# KiCad board panel.kicad_pcb (continued)
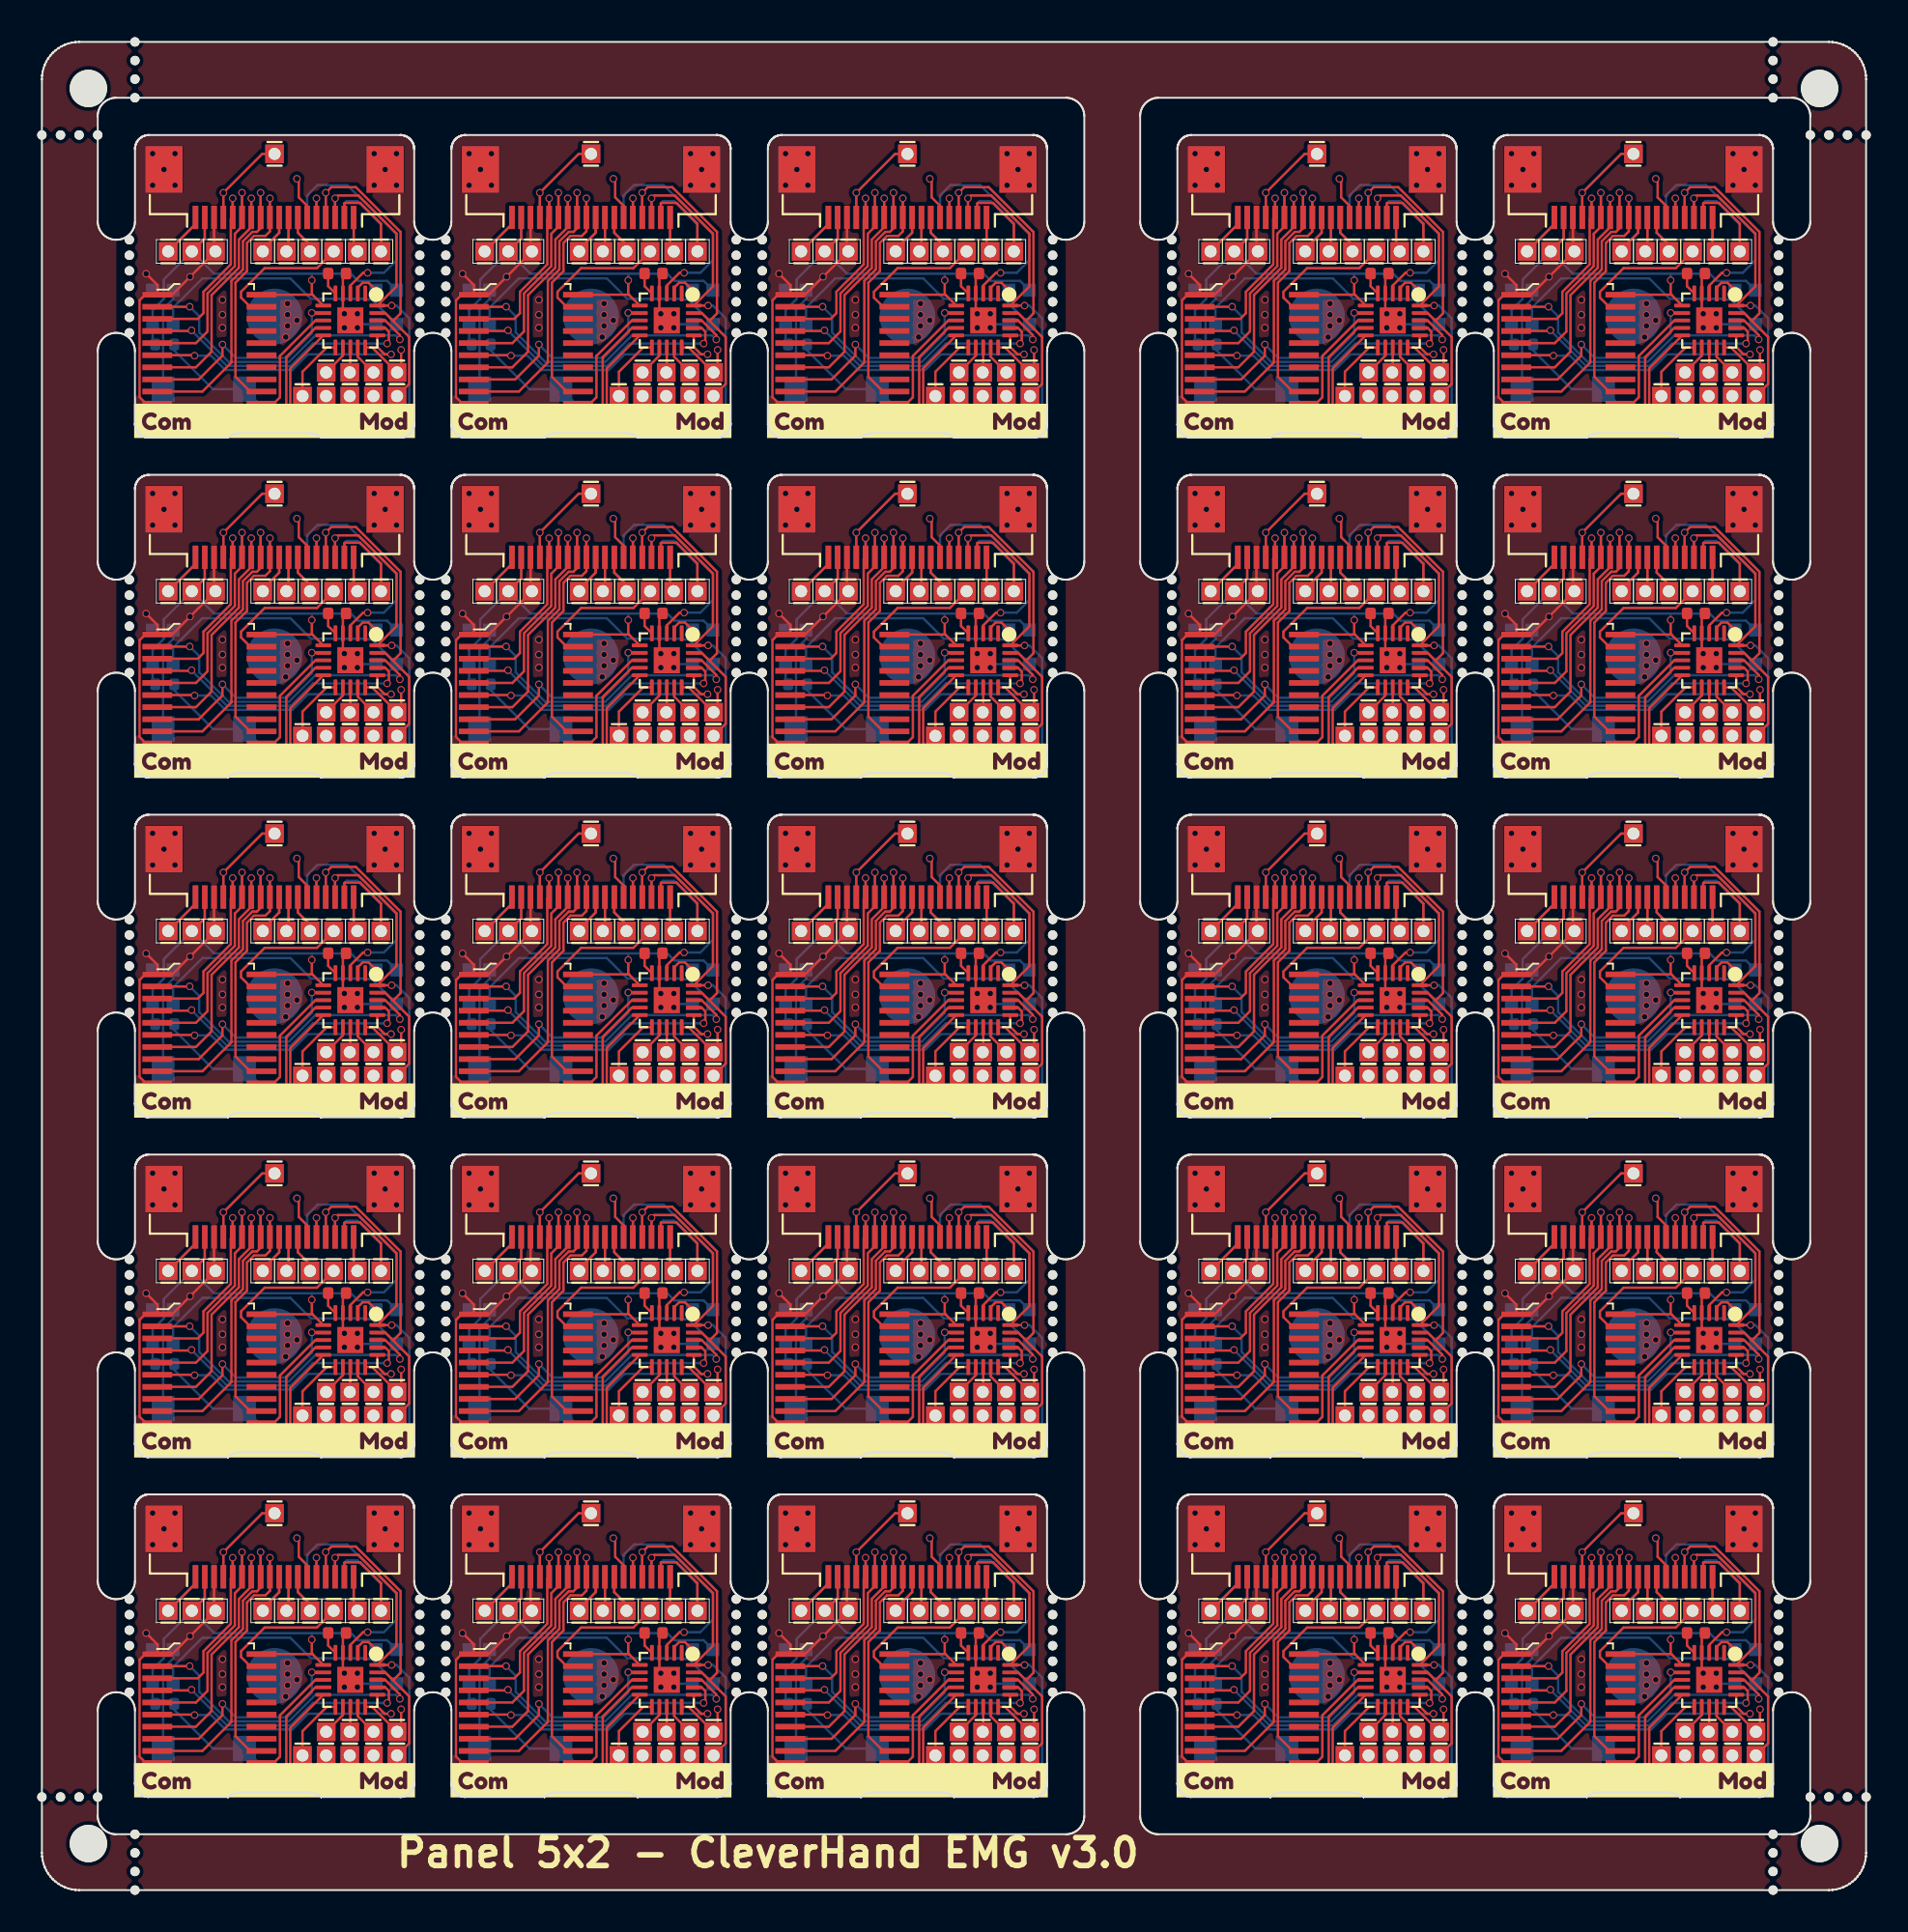
[diagram p0: board, top side]
## Placement (name value [footprint] x y rotation side) (continued)
J9#6  Conn_01x01_Pin  [PinHeader_1x01_P1.27mm_Vertical]  50.95 51.5 0 top
J9#7  Conn_01x01_Pin  [PinHeader_1x01_P1.27mm_Vertical]  33.95 51.5 0 top
J9#8  Conn_01x01_Pin  [PinHeader_1x01_P1.27mm_Vertical]  72.94 51.5 0 top
J9#9  Conn_01x01_Pin  [PinHeader_1x01_P1.27mm_Vertical]  72.94 33.25 0 top
J9#10  Conn_01x01_Pin  [PinHeader_1x01_P1.27mm_Vertical]  33.95 69.75 0 top
J9#11  Conn_01x01_Pin  [PinHeader_1x01_P1.27mm_Vertical]  16.95 69.75 0 top
J9#12  Conn_01x01_Pin  [PinHeader_1x01_P1.27mm_Vertical]  16.95 33.25 0 top
J9#13  Conn_01x01_Pin  [PinHeader_1x01_P1.27mm_Vertical]  89.94 88 0 top
J9#14  Conn_01x01_Pin  [PinHeader_1x01_P1.27mm_Vertical]  72.94 88 0 top
J9#15  Conn_01x01_Pin  [PinHeader_1x01_P1.27mm_Vertical]  50.95 15 0 top
J9#16  Conn_01x01_Pin  [PinHeader_1x01_P1.27mm_Vertical]  33.95 88 0 top
J9#17  Conn_01x01_Pin  [PinHeader_1x01_P1.27mm_Vertical]  72.94 15 0 top
J9#18  Conn_01x01_Pin  [PinHeader_1x01_P1.27mm_Vertical]  89.94 33.25 0 top
J9#19  Conn_01x01_Pin  [PinHeader_1x01_P1.27mm_Vertical]  16.95 88 0 top
J9#20  Conn_01x01_Pin  [PinHeader_1x01_P1.27mm_Vertical]  16.95 15 0 top
J9#21  Conn_01x01_Pin  [PinHeader_1x01_P1.27mm_Vertical]  89.94 51.5 0 top
J9#22  Conn_01x01_Pin  [PinHeader_1x01_P1.27mm_Vertical]  33.95 15 0 top
J9#23  Conn_01x01_Pin  [PinHeader_1x01_P1.27mm_Vertical]  89.94 15 0 top
J9#24  Conn_01x01_Pin  [PinHeader_1x01_P1.27mm_Vertical]  50.95 33.25 0 top
J9#25  Conn_01x01_Pin  [PinHeader_1x01_P1.27mm_Vertical]  89.94 69.75 0 top
J10  XF2J-1824-12A  [XUNPU_FPC_05F_18P_H20]  85.5 90 180 top
J10#2  XF2J-1824-12A  [XUNPU_FPC_05F_18P_H20]  29.5 90 180 top
J10#3  XF2J-1824-12A  [XUNPU_FPC_05F_18P_H20]  46.5 17 180 top
J10#4  XF2J-1824-12A  [XUNPU_FPC_05F_18P_H20]  85.5 35.25 180 top
J10#5  XF2J-1824-12A  [XUNPU_FPC_05F_18P_H20]  68.5 71.75 180 top
J10#6  XF2J-1824-12A  [XUNPU_FPC_05F_18P_H20]  12.5 17 180 top
J10#7  XF2J-1824-12A  [XUNPU_FPC_05F_18P_H20]  12.5 53.5 180 top
J10#8  XF2J-1824-12A  [XUNPU_FPC_05F_18P_H20]  85.5 53.5 180 top
J10#9  XF2J-1824-12A  [XUNPU_FPC_05F_18P_H20]  68.5 53.5 180 top
J10#10  XF2J-1824-12A  [XUNPU_FPC_05F_18P_H20]  29.5 17 180 top
J10#11  XF2J-1824-12A  [XUNPU_FPC_05F_18P_H20]  46.5 90 180 top
J10#12  XF2J-1824-12A  [XUNPU_FPC_05F_18P_H20]  46.5 53.5 180 top
J10#13  XF2J-1824-12A  [XUNPU_FPC_05F_18P_H20]  46.5 71.75 180 top
J10#14  XF2J-1824-12A  [XUNPU_FPC_05F_18P_H20]  68.5 90 180 top
J10#15  XF2J-1824-12A  [XUNPU_FPC_05F_18P_H20]  85.5 17 180 top
J10#16  XF2J-1824-12A  [XUNPU_FPC_05F_18P_H20]  12.5 71.75 180 top
J10#17  XF2J-1824-12A  [XUNPU_FPC_05F_18P_H20]  85.5 71.75 180 top
J10#18  XF2J-1824-12A  [XUNPU_FPC_05F_18P_H20]  12.5 35.25 180 top
J10#19  XF2J-1824-12A  [XUNPU_FPC_05F_18P_H20]  29.5 53.5 180 top
J10#20  XF2J-1824-12A  [XUNPU_FPC_05F_18P_H20]  29.5 71.75 180 top
J10#21  XF2J-1824-12A  [XUNPU_FPC_05F_18P_H20]  68.5 35.25 180 top
J10#22  XF2J-1824-12A  [XUNPU_FPC_05F_18P_H20]  29.5 35.25 180 top
J10#23  XF2J-1824-12A  [XUNPU_FPC_05F_18P_H20]  68.5 17 180 top
J10#24  XF2J-1824-12A  [XUNPU_FPC_05F_18P_H20]  12.5 90 180 top
J10#25  XF2J-1824-12A  [XUNPU_FPC_05F_18P_H20]  46.5 35.25 180 top
J11  Conn_01x01_Pin  [PinHeader_1x01_P1.27mm_Vertical]  75.08 63.25 180 top
J11#2  Conn_01x01_Pin  [PinHeader_1x01_P1.27mm_Vertical]  92.08 45 180 top
J11#3  Conn_01x01_Pin  [PinHeader_1x01_P1.27mm_Vertical]  36.08 45 180 top
J11#4  Conn_01x01_Pin  [PinHeader_1x01_P1.27mm_Vertical]  36.08 26.75 180 top
J11#5  Conn_01x01_Pin  [PinHeader_1x01_P1.27mm_Vertical]  19.08 26.75 180 top
J11#6  Conn_01x01_Pin  [PinHeader_1x01_P1.27mm_Vertical]  75.08 8.5 180 top
J11#7  Conn_01x01_Pin  [PinHeader_1x01_P1.27mm_Vertical]  19.08 8.5 180 top
J11#8  Conn_01x01_Pin  [PinHeader_1x01_P1.27mm_Vertical]  19.08 81.5 180 top
J11#9  Conn_01x01_Pin  [PinHeader_1x01_P1.27mm_Vertical]  75.08 26.75 180 top
J11#10  Conn_01x01_Pin  [PinHeader_1x01_P1.27mm_Vertical]  92.08 8.5 180 top
J11#11  Conn_01x01_Pin  [PinHeader_1x01_P1.27mm_Vertical]  75.08 45 180 top
J11#12  Conn_01x01_Pin  [PinHeader_1x01_P1.27mm_Vertical]  19.08 45 180 top
J11#13  Conn_01x01_Pin  [PinHeader_1x01_P1.27mm_Vertical]  36.08 8.5 180 top
J11#14  Conn_01x01_Pin  [PinHeader_1x01_P1.27mm_Vertical]  53.08 45 180 top
J11#15  Conn_01x01_Pin  [PinHeader_1x01_P1.27mm_Vertical]  19.08 63.25 180 top
J11#16  Conn_01x01_Pin  [PinHeader_1x01_P1.27mm_Vertical]  36.08 81.5 180 top
J11#17  Conn_01x01_Pin  [PinHeader_1x01_P1.27mm_Vertical]  53.08 8.5 180 top
J11#18  Conn_01x01_Pin  [PinHeader_1x01_P1.27mm_Vertical]  92.08 63.25 180 top
J11#19  Conn_01x01_Pin  [PinHeader_1x01_P1.27mm_Vertical]  53.08 26.75 180 top
J11#20  Conn_01x01_Pin  [PinHeader_1x01_P1.27mm_Vertical]  53.08 63.25 180 top
J11#21  Conn_01x01_Pin  [PinHeader_1x01_P1.27mm_Vertical]  53.08 81.5 180 top
J11#22  Conn_01x01_Pin  [PinHeader_1x01_P1.27mm_Vertical]  75.08 81.5 180 top
J11#23  Conn_01x01_Pin  [PinHeader_1x01_P1.27mm_Vertical]  36.08 63.25 180 top
J11#24  Conn_01x01_Pin  [PinHeader_1x01_P1.27mm_Vertical]  92.08 26.75 180 top
J11#25  Conn_01x01_Pin  [PinHeader_1x01_P1.27mm_Vertical]  92.08 81.5 180 top
J12  Conn_01x01_Pin  [PinHeader_1x01_P1.27mm_Vertical]  73.81 63.25 180 top
J12#2  Conn_01x01_Pin  [PinHeader_1x01_P1.27mm_Vertical]  73.81 45 180 top
J12#3  Conn_01x01_Pin  [PinHeader_1x01_P1.27mm_Vertical]  17.81 81.5 180 top
J12#4  Conn_01x01_Pin  [PinHeader_1x01_P1.27mm_Vertical]  51.81 26.75 180 top
J12#5  Conn_01x01_Pin  [PinHeader_1x01_P1.27mm_Vertical]  17.81 8.5 180 top
J12#6  Conn_01x01_Pin  [PinHeader_1x01_P1.27mm_Vertical]  34.81 26.75 180 top
J12#7  Conn_01x01_Pin  [PinHeader_1x01_P1.27mm_Vertical]  73.81 26.75 180 top
J12#8  Conn_01x01_Pin  [PinHeader_1x01_P1.27mm_Vertical]  90.81 45 180 top
J12#9  Conn_01x01_Pin  [PinHeader_1x01_P1.27mm_Vertical]  34.81 8.5 180 top
J12#10  Conn_01x01_Pin  [PinHeader_1x01_P1.27mm_Vertical]  51.81 63.25 180 top
J12#11  Conn_01x01_Pin  [PinHeader_1x01_P1.27mm_Vertical]  73.81 8.5 180 top
J12#12  Conn_01x01_Pin  [PinHeader_1x01_P1.27mm_Vertical]  51.81 81.5 180 top
J12#13  Conn_01x01_Pin  [PinHeader_1x01_P1.27mm_Vertical]  34.81 45 180 top
J12#14  Conn_01x01_Pin  [PinHeader_1x01_P1.27mm_Vertical]  51.81 45 180 top
J12#15  Conn_01x01_Pin  [PinHeader_1x01_P1.27mm_Vertical]  17.81 26.75 180 top
J12#16  Conn_01x01_Pin  [PinHeader_1x01_P1.27mm_Vertical]  17.81 45 180 top
J12#17  Conn_01x01_Pin  [PinHeader_1x01_P1.27mm_Vertical]  90.81 8.5 180 top
J12#18  Conn_01x01_Pin  [PinHeader_1x01_P1.27mm_Vertical]  90.81 63.25 180 top
J12#19  Conn_01x01_Pin  [PinHeader_1x01_P1.27mm_Vertical]  90.81 81.5 180 top
J12#20  Conn_01x01_Pin  [PinHeader_1x01_P1.27mm_Vertical]  34.81 63.25 180 top
J12#21  Conn_01x01_Pin  [PinHeader_1x01_P1.27mm_Vertical]  34.81 81.5 180 top
J12#22  Conn_01x01_Pin  [PinHeader_1x01_P1.27mm_Vertical]  73.81 81.5 180 top
J12#23  Conn_01x01_Pin  [PinHeader_1x01_P1.27mm_Vertical]  90.81 26.75 180 top
J12#24  Conn_01x01_Pin  [PinHeader_1x01_P1.27mm_Vertical]  17.81 63.25 180 top
J12#25  Conn_01x01_Pin  [PinHeader_1x01_P1.27mm_Vertical]  51.81 8.5 180 top
J13  Conn_01x01_Pin  [PinHeader_1x01_P1.27mm_Vertical]  72.54 26.75 180 top
J13#2  Conn_01x01_Pin  [PinHeader_1x01_P1.27mm_Vertical]  16.54 63.25 180 top
J13#3  Conn_01x01_Pin  [PinHeader_1x01_P1.27mm_Vertical]  89.54 26.75 180 top
J13#4  Conn_01x01_Pin  [PinHeader_1x01_P1.27mm_Vertical]  72.54 45 180 top
J13#5  Conn_01x01_Pin  [PinHeader_1x01_P1.27mm_Vertical]  72.54 81.5 180 top
J13#6  Conn_01x01_Pin  [PinHeader_1x01_P1.27mm_Vertical]  50.54 63.25 180 top
J13#7  Conn_01x01_Pin  [PinHeader_1x01_P1.27mm_Vertical]  89.54 8.5 180 top
J13#8  Conn_01x01_Pin  [PinHeader_1x01_P1.27mm_Vertical]  16.54 8.5 180 top
J13#9  Conn_01x01_Pin  [PinHeader_1x01_P1.27mm_Vertical]  50.54 26.75 180 top
J13#10  Conn_01x01_Pin  [PinHeader_1x01_P1.27mm_Vertical]  16.54 45 180 top
J13#11  Conn_01x01_Pin  [PinHeader_1x01_P1.27mm_Vertical]  89.54 63.25 180 top
J13#12  Conn_01x01_Pin  [PinHeader_1x01_P1.27mm_Vertical]  89.54 81.5 180 top
J13#13  Conn_01x01_Pin  [PinHeader_1x01_P1.27mm_Vertical]  50.54 8.5 180 top
J13#14  Conn_01x01_Pin  [PinHeader_1x01_P1.27mm_Vertical]  33.54 63.25 180 top
J13#15  Conn_01x01_Pin  [PinHeader_1x01_P1.27mm_Vertical]  50.54 45 180 top
J13#16  Conn_01x01_Pin  [PinHeader_1x01_P1.27mm_Vertical]  72.54 8.5 180 top
J13#17  Conn_01x01_Pin  [PinHeader_1x01_P1.27mm_Vertical]  33.54 8.5 180 top
J13#18  Conn_01x01_Pin  [PinHeader_1x01_P1.27mm_Vertical]  72.54 63.25 180 top
J13#19  Conn_01x01_Pin  [PinHeader_1x01_P1.27mm_Vertical]  33.54 45 180 top
J13#20  Conn_01x01_Pin  [PinHeader_1x01_P1.27mm_Vertical]  33.54 26.75 180 top
J13#21  Conn_01x01_Pin  [PinHeader_1x01_P1.27mm_Vertical]  16.54 26.75 180 top
J13#22  Conn_01x01_Pin  [PinHeader_1x01_P1.27mm_Vertical]  33.54 81.5 180 top
J13#23  Conn_01x01_Pin  [PinHeader_1x01_P1.27mm_Vertical]  16.54 81.5 180 top
J13#24  Conn_01x01_Pin  [PinHeader_1x01_P1.27mm_Vertical]  89.54 45 180 top
J13#25  Conn_01x01_Pin  [PinHeader_1x01_P1.27mm_Vertical]  50.54 81.5 180 top
J14  Conn_01x01_Pin  [PinHeader_1x01_P1.27mm_Vertical]  32.27 63.25 180 top
J14#2  Conn_01x01_Pin  [PinHeader_1x01_P1.27mm_Vertical]  88.27 45 180 top
J14#3  Conn_01x01_Pin  [PinHeader_1x01_P1.27mm_Vertical]  49.27 81.5 180 top
J14#4  Conn_01x01_Pin  [PinHeader_1x01_P1.27mm_Vertical]  15.27 8.5 180 top
J14#5  Conn_01x01_Pin  [PinHeader_1x01_P1.27mm_Vertical]  88.27 26.75 180 top
J14#6  Conn_01x01_Pin  [PinHeader_1x01_P1.27mm_Vertical]  49.27 26.75 180 top
J14#7  Conn_01x01_Pin  [PinHeader_1x01_P1.27mm_Vertical]  71.27 81.5 180 top
J14#8  Conn_01x01_Pin  [PinHeader_1x01_P1.27mm_Vertical]  71.27 63.25 180 top
J14#9  Conn_01x01_Pin  [PinHeader_1x01_P1.27mm_Vertical]  71.27 8.5 180 top
J14#10  Conn_01x01_Pin  [PinHeader_1x01_P1.27mm_Vertical]  71.27 45 180 top
J14#11  Conn_01x01_Pin  [PinHeader_1x01_P1.27mm_Vertical]  32.27 8.5 180 top
J14#12  Conn_01x01_Pin  [PinHeader_1x01_P1.27mm_Vertical]  49.27 63.25 180 top
J14#13  Conn_01x01_Pin  [PinHeader_1x01_P1.27mm_Vertical]  15.27 26.75 180 top
J14#14  Conn_01x01_Pin  [PinHeader_1x01_P1.27mm_Vertical]  88.27 81.5 180 top
J14#15  Conn_01x01_Pin  [PinHeader_1x01_P1.27mm_Vertical]  71.27 26.75 180 top
J14#16  Conn_01x01_Pin  [PinHeader_1x01_P1.27mm_Vertical]  49.27 45 180 top
J14#17  Conn_01x01_Pin  [PinHeader_1x01_P1.27mm_Vertical]  32.27 26.75 180 top
J14#18  Conn_01x01_Pin  [PinHeader_1x01_P1.27mm_Vertical]  15.27 63.25 180 top
J14#19  Conn_01x01_Pin  [PinHeader_1x01_P1.27mm_Vertical]  15.27 81.5 180 top
J14#20  Conn_01x01_Pin  [PinHeader_1x01_P1.27mm_Vertical]  15.27 45 180 top
J14#21  Conn_01x01_Pin  [PinHeader_1x01_P1.27mm_Vertical]  88.27 63.25 180 top
J14#22  Conn_01x01_Pin  [PinHeader_1x01_P1.27mm_Vertical]  88.27 8.5 180 top
J14#23  Conn_01x01_Pin  [PinHeader_1x01_P1.27mm_Vertical]  32.27 45 180 top
J14#24  Conn_01x01_Pin  [PinHeader_1x01_P1.27mm_Vertical]  49.27 8.5 180 top
J14#25  Conn_01x01_Pin  [PinHeader_1x01_P1.27mm_Vertical]  32.27 81.5 180 top
J15  Conn_01x01_Pin  [PinHeader_1x01_P1.27mm_Vertical]  16.54 25.48 0 top
J15#2  Conn_01x01_Pin  [PinHeader_1x01_P1.27mm_Vertical]  72.54 43.73 0 top
J15#3  Conn_01x01_Pin  [PinHeader_1x01_P1.27mm_Vertical]  72.54 61.98 0 top
J15#4  Conn_01x01_Pin  [PinHeader_1x01_P1.27mm_Vertical]  89.54 25.48 0 top
J15#5  Conn_01x01_Pin  [PinHeader_1x01_P1.27mm_Vertical]  33.54 61.98 0 top
J15#6  Conn_01x01_Pin  [PinHeader_1x01_P1.27mm_Vertical]  72.54 25.48 0 top
J15#7  Conn_01x01_Pin  [PinHeader_1x01_P1.27mm_Vertical]  89.54 61.98 0 top
J15#8  Conn_01x01_Pin  [PinHeader_1x01_P1.27mm_Vertical]  16.54 61.98 0 top
J15#9  Conn_01x01_Pin  [PinHeader_1x01_P1.27mm_Vertical]  33.54 7.23 0 top
J15#10  Conn_01x01_Pin  [PinHeader_1x01_P1.27mm_Vertical]  72.54 7.23 0 top
J15#11  Conn_01x01_Pin  [PinHeader_1x01_P1.27mm_Vertical]  50.54 80.23 0 top
J15#12  Conn_01x01_Pin  [PinHeader_1x01_P1.27mm_Vertical]  89.54 80.23 0 top
J15#13  Conn_01x01_Pin  [PinHeader_1x01_P1.27mm_Vertical]  50.54 43.73 0 top
J15#14  Conn_01x01_Pin  [PinHeader_1x01_P1.27mm_Vertical]  50.54 25.48 0 top
J15#15  Conn_01x01_Pin  [PinHeader_1x01_P1.27mm_Vertical]  50.54 61.98 0 top
J15#16  Conn_01x01_Pin  [PinHeader_1x01_P1.27mm_Vertical]  33.54 43.73 0 top
J15#17  Conn_01x01_Pin  [PinHeader_1x01_P1.27mm_Vertical]  16.54 7.23 0 top
J15#18  Conn_01x01_Pin  [PinHeader_1x01_P1.27mm_Vertical]  50.54 7.23 0 top
J15#19  Conn_01x01_Pin  [PinHeader_1x01_P1.27mm_Vertical]  33.54 80.23 0 top
J15#20  Conn_01x01_Pin  [PinHeader_1x01_P1.27mm_Vertical]  16.54 80.23 0 top
J15#21  Conn_01x01_Pin  [PinHeader_1x01_P1.27mm_Vertical]  89.54 43.73 0 top
J15#22  Conn_01x01_Pin  [PinHeader_1x01_P1.27mm_Vertical]  16.54 43.73 0 top
J15#23  Conn_01x01_Pin  [PinHeader_1x01_P1.27mm_Vertical]  72.54 80.23 0 top
J15#24  Conn_01x01_Pin  [PinHeader_1x01_P1.27mm_Vertical]  89.54 7.23 0 top
J15#25  Conn_01x01_Pin  [PinHeader_1x01_P1.27mm_Vertical]  33.54 25.48 0 top
J16  Conn_01x01_Pin  [PinHeader_1x01_P1.27mm_Vertical]  17.81 43.73 0 top
J16#2  Conn_01x01_Pin  [PinHeader_1x01_P1.27mm_Vertical]  17.81 61.98 0 top
J16#3  Conn_01x01_Pin  [PinHeader_1x01_P1.27mm_Vertical]  51.81 43.73 0 top
J16#4  Conn_01x01_Pin  [PinHeader_1x01_P1.27mm_Vertical]  90.81 80.23 0 top
J16#5  Conn_01x01_Pin  [PinHeader_1x01_P1.27mm_Vertical]  73.81 25.48 0 top
J16#6  Conn_01x01_Pin  [PinHeader_1x01_P1.27mm_Vertical]  34.81 61.98 0 top
J16#7  Conn_01x01_Pin  [PinHeader_1x01_P1.27mm_Vertical]  34.81 80.23 0 top
J16#8  Conn_01x01_Pin  [PinHeader_1x01_P1.27mm_Vertical]  73.81 43.73 0 top
J16#9  Conn_01x01_Pin  [PinHeader_1x01_P1.27mm_Vertical]  73.81 80.23 0 top
J16#10  Conn_01x01_Pin  [PinHeader_1x01_P1.27mm_Vertical]  17.81 7.23 0 top
J16#11  Conn_01x01_Pin  [PinHeader_1x01_P1.27mm_Vertical]  90.81 43.73 0 top
J16#12  Conn_01x01_Pin  [PinHeader_1x01_P1.27mm_Vertical]  17.81 80.23 0 top
J16#13  Conn_01x01_Pin  [PinHeader_1x01_P1.27mm_Vertical]  90.81 61.98 0 top
J16#14  Conn_01x01_Pin  [PinHeader_1x01_P1.27mm_Vertical]  73.81 7.23 0 top
J16#15  Conn_01x01_Pin  [PinHeader_1x01_P1.27mm_Vertical]  51.81 61.98 0 top
J16#16  Conn_01x01_Pin  [PinHeader_1x01_P1.27mm_Vertical]  90.81 25.48 0 top
J16#17  Conn_01x01_Pin  [PinHeader_1x01_P1.27mm_Vertical]  34.81 25.48 0 top
J16#18  Conn_01x01_Pin  [PinHeader_1x01_P1.27mm_Vertical]  73.81 61.98 0 top
J16#19  Conn_01x01_Pin  [PinHeader_1x01_P1.27mm_Vertical]  51.81 7.23 0 top
J16#20  Conn_01x01_Pin  [PinHeader_1x01_P1.27mm_Vertical]  90.81 7.23 0 top
J16#21  Conn_01x01_Pin  [PinHeader_1x01_P1.27mm_Vertical]  34.81 43.73 0 top
J16#22  Conn_01x01_Pin  [PinHeader_1x01_P1.27mm_Vertical]  34.81 7.23 0 top
J16#23  Conn_01x01_Pin  [PinHeader_1x01_P1.27mm_Vertical]  17.81 25.48 0 top
J16#24  Conn_01x01_Pin  [PinHeader_1x01_P1.27mm_Vertical]  51.81 25.48 0 top
J16#25  Conn_01x01_Pin  [PinHeader_1x01_P1.27mm_Vertical]  51.81 80.23 0 top
J17  Conn_01x01_Pin  [PinHeader_1x01_P1.27mm_Vertical]  92.08 7.23 0 top
J17#2  Conn_01x01_Pin  [PinHeader_1x01_P1.27mm_Vertical]  36.08 25.48 0 top
J17#3  Conn_01x01_Pin  [PinHeader_1x01_P1.27mm_Vertical]  19.08 43.73 0 top
J17#4  Conn_01x01_Pin  [PinHeader_1x01_P1.27mm_Vertical]  36.08 7.23 0 top
J17#5  Conn_01x01_Pin  [PinHeader_1x01_P1.27mm_Vertical]  19.08 7.23 0 top
J17#6  Conn_01x01_Pin  [PinHeader_1x01_P1.27mm_Vertical]  36.08 43.73 0 top
J17#7  Conn_01x01_Pin  [PinHeader_1x01_P1.27mm_Vertical]  53.08 43.73 0 top
J17#8  Conn_01x01_Pin  [PinHeader_1x01_P1.27mm_Vertical]  75.08 80.23 0 top
J17#9  Conn_01x01_Pin  [PinHeader_1x01_P1.27mm_Vertical]  75.08 7.23 0 top
J17#10  Conn_01x01_Pin  [PinHeader_1x01_P1.27mm_Vertical]  19.08 61.98 0 top
J17#11  Conn_01x01_Pin  [PinHeader_1x01_P1.27mm_Vertical]  92.08 43.73 0 top
J17#12  Conn_01x01_Pin  [PinHeader_1x01_P1.27mm_Vertical]  75.08 43.73 0 top
J17#13  Conn_01x01_Pin  [PinHeader_1x01_P1.27mm_Vertical]  36.08 80.23 0 top
J17#14  Conn_01x01_Pin  [PinHeader_1x01_P1.27mm_Vertical]  53.08 61.98 0 top
J17#15  Conn_01x01_Pin  [PinHeader_1x01_P1.27mm_Vertical]  19.08 80.23 0 top
J17#16  Conn_01x01_Pin  [PinHeader_1x01_P1.27mm_Vertical]  92.08 80.23 0 top
J17#17  Conn_01x01_Pin  [PinHeader_1x01_P1.27mm_Vertical]  75.08 61.98 0 top
J17#18  Conn_01x01_Pin  [PinHeader_1x01_P1.27mm_Vertical]  53.08 7.23 0 top
J17#19  Conn_01x01_Pin  [PinHeader_1x01_P1.27mm_Vertical]  53.08 25.48 0 top
J17#20  Conn_01x01_Pin  [PinHeader_1x01_P1.27mm_Vertical]  36.08 61.98 0 top
J17#21  Conn_01x01_Pin  [PinHeader_1x01_P1.27mm_Vertical]  92.08 25.48 0 top
J17#22  Conn_01x01_Pin  [PinHeader_1x01_P1.27mm_Vertical]  19.08 25.48 0 top
J17#23  Conn_01x01_Pin  [PinHeader_1x01_P1.27mm_Vertical]  53.08 80.23 0 top
J17#24  Conn_01x01_Pin  [PinHeader_1x01_P1.27mm_Vertical]  92.08 61.98 0 top
J17#25  Conn_01x01_Pin  [PinHeader_1x01_P1.27mm_Vertical]  75.08 25.48 0 top
J18  Conn_01x01_Pin  [PinHeader_1x01_P1.27mm_Vertical]  48 61.98 0 top
J18#2  Conn_01x01_Pin  [PinHeader_1x01_P1.27mm_Vertical]  48 25.48 0 top
J18#3  Conn_01x01_Pin  [PinHeader_1x01_P1.27mm_Vertical]  48 43.73 0 top
J18#4  Conn_01x01_Pin  [PinHeader_1x01_P1.27mm_Vertical]  31 7.23 0 top
J18#5  Conn_01x01_Pin  [PinHeader_1x01_P1.27mm_Vertical]  87 25.48 0 top
J18#6  Conn_01x01_Pin  [PinHeader_1x01_P1.27mm_Vertical]  14 7.23 0 top
J18#7  Conn_01x01_Pin  [PinHeader_1x01_P1.27mm_Vertical]  70 7.23 0 top
J18#8  Conn_01x01_Pin  [PinHeader_1x01_P1.27mm_Vertical]  14 80.23 0 top
J18#9  Conn_01x01_Pin  [PinHeader_1x01_P1.27mm_Vertical]  31 25.48 0 top
J18#10  Conn_01x01_Pin  [PinHeader_1x01_P1.27mm_Vertical]  48 7.23 0 top
J18#11  Conn_01x01_Pin  [PinHeader_1x01_P1.27mm_Vertical]  14 43.73 0 top
J18#12  Conn_01x01_Pin  [PinHeader_1x01_P1.27mm_Vertical]  87 80.23 0 top
J18#13  Conn_01x01_Pin  [PinHeader_1x01_P1.27mm_Vertical]  70 43.73 0 top
J18#14  Conn_01x01_Pin  [PinHeader_1x01_P1.27mm_Vertical]  70 80.23 0 top
J18#15  Conn_01x01_Pin  [PinHeader_1x01_P1.27mm_Vertical]  31 80.23 0 top
J18#16  Conn_01x01_Pin  [PinHeader_1x01_P1.27mm_Vertical]  31 61.98 0 top
J18#17  Conn_01x01_Pin  [PinHeader_1x01_P1.27mm_Vertical]  87 7.23 0 top
J18#18  Conn_01x01_Pin  [PinHeader_1x01_P1.27mm_Vertical]  70 25.48 0 top
J18#19  Conn_01x01_Pin  [PinHeader_1x01_P1.27mm_Vertical]  70 61.98 0 top
J18#20  Conn_01x01_Pin  [PinHeader_1x01_P1.27mm_Vertical]  14 25.48 0 top
J18#21  Conn_01x01_Pin  [PinHeader_1x01_P1.27mm_Vertical]  48 80.23 0 top
J18#22  Conn_01x01_Pin  [PinHeader_1x01_P1.27mm_Vertical]  87 43.73 0 top
J18#23  Conn_01x01_Pin  [PinHeader_1x01_P1.27mm_Vertical]  87 61.98 0 top
J18#24  Conn_01x01_Pin  [PinHeader_1x01_P1.27mm_Vertical]  14 61.98 0 top
J18#25  Conn_01x01_Pin  [PinHeader_1x01_P1.27mm_Vertical]  31 43.73 0 top
J19  Conn_01x01_Pin  [PinHeader_1x01_P1.27mm_Vertical]  6.78 88 0 top
J19#2  Conn_01x01_Pin  [PinHeader_1x01_P1.27mm_Vertical]  40.78 69.75 0 top
J19#3  Conn_01x01_Pin  [PinHeader_1x01_P1.27mm_Vertical]  23.79 88 0 top
J19#4  Conn_01x01_Pin  [PinHeader_1x01_P1.27mm_Vertical]  62.78 51.5 0 top
J19#5  Conn_01x01_Pin  [PinHeader_1x01_P1.27mm_Vertical]  79.78 15 0 top
J19#6  Conn_01x01_Pin  [PinHeader_1x01_P1.27mm_Vertical]  62.78 69.75 0 top
J19#7  Conn_01x01_Pin  [PinHeader_1x01_P1.27mm_Vertical]  40.78 15 0 top
J19#8  Conn_01x01_Pin  [PinHeader_1x01_P1.27mm_Vertical]  79.78 33.25 0 top
J19#9  Conn_01x01_Pin  [PinHeader_1x01_P1.27mm_Vertical]  40.78 51.5 0 top
J19#10  Conn_01x01_Pin  [PinHeader_1x01_P1.27mm_Vertical]  6.78 15 0 top
J19#11  Conn_01x01_Pin  [PinHeader_1x01_P1.27mm_Vertical]  23.79 51.5 0 top
J19#12  Conn_01x01_Pin  [PinHeader_1x01_P1.27mm_Vertical]  23.79 15 0 top
J19#13  Conn_01x01_Pin  [PinHeader_1x01_P1.27mm_Vertical]  62.78 33.25 0 top
J19#14  Conn_01x01_Pin  [PinHeader_1x01_P1.27mm_Vertical]  6.78 33.25 0 top
J19#15  Conn_01x01_Pin  [PinHeader_1x01_P1.27mm_Vertical]  40.78 33.25 0 top
J19#16  Conn_01x01_Pin  [PinHeader_1x01_P1.27mm_Vertical]  79.78 88 0 top
J19#17  Conn_01x01_Pin  [PinHeader_1x01_P1.27mm_Vertical]  62.78 88 0 top
J19#18  Conn_01x01_Pin  [PinHeader_1x01_P1.27mm_Vertical]  79.78 51.5 0 top
J19#19  Conn_01x01_Pin  [PinHeader_1x01_P1.27mm_Vertical]  23.79 33.25 0 top
J19#20  Conn_01x01_Pin  [PinHeader_1x01_P1.27mm_Vertical]  6.78 51.5 0 top
J19#21  Conn_01x01_Pin  [PinHeader_1x01_P1.27mm_Vertical]  23.79 69.75 0 top
J19#22  Conn_01x01_Pin  [PinHeader_1x01_P1.27mm_Vertical]  79.78 69.75 0 top
J19#23  Conn_01x01_Pin  [PinHeader_1x01_P1.27mm_Vertical]  40.78 88 0 top
J19#24  Conn_01x01_Pin  [PinHeader_1x01_P1.27mm_Vertical]  6.78 69.75 0 top
J19#25  Conn_01x01_Pin  [PinHeader_1x01_P1.27mm_Vertical]  62.78 15 0 top
J20  Conn_01x01_Pin  [PinHeader_1x01_P1.27mm_Vertical]  74.22 33.25 0 top
J20#2  Conn_01x01_Pin  [PinHeader_1x01_P1.27mm_Vertical]  35.22 51.5 0 top
J20#3  Conn_01x01_Pin  [PinHeader_1x01_P1.27mm_Vertical]  18.21 69.75 0 top
J20#4  Conn_01x01_Pin  [PinHeader_1x01_P1.27mm_Vertical]  52.22 15 0 top
J20#5  Conn_01x01_Pin  [PinHeader_1x01_P1.27mm_Vertical]  91.22 51.5 0 top
J20#6  Conn_01x01_Pin  [PinHeader_1x01_P1.27mm_Vertical]  18.21 33.25 0 top
J20#7  Conn_01x01_Pin  [PinHeader_1x01_P1.27mm_Vertical]  52.22 88 0 top
J20#8  Conn_01x01_Pin  [PinHeader_1x01_P1.27mm_Vertical]  52.22 51.5 0 top
J20#9  Conn_01x01_Pin  [PinHeader_1x01_P1.27mm_Vertical]  91.22 15 0 top
J20#10  Conn_01x01_Pin  [PinHeader_1x01_P1.27mm_Vertical]  18.21 15 0 top
J20#11  Conn_01x01_Pin  [PinHeader_1x01_P1.27mm_Vertical]  74.22 15 0 top
J20#12  Conn_01x01_Pin  [PinHeader_1x01_P1.27mm_Vertical]  52.22 69.75 0 top
J20#13  Conn_01x01_Pin  [PinHeader_1x01_P1.27mm_Vertical]  35.22 69.75 0 top
J20#14  Conn_01x01_Pin  [PinHeader_1x01_P1.27mm_Vertical]  18.21 88 0 top
J20#15  Conn_01x01_Pin  [PinHeader_1x01_P1.27mm_Vertical]  74.22 69.75 0 top
J20#16  Conn_01x01_Pin  [PinHeader_1x01_P1.27mm_Vertical]  52.22 33.25 0 top
J20#17  Conn_01x01_Pin  [PinHeader_1x01_P1.27mm_Vertical]  91.22 69.75 0 top
J20#18  Conn_01x01_Pin  [PinHeader_1x01_P1.27mm_Vertical]  91.22 33.25 0 top
J20#19  Conn_01x01_Pin  [PinHeader_1x01_P1.27mm_Vertical]  74.22 51.5 0 top
J20#20  Conn_01x01_Pin  [PinHeader_1x01_P1.27mm_Vertical]  35.22 15 0 top
J20#21  Conn_01x01_Pin  [PinHeader_1x01_P1.27mm_Vertical]  35.22 88 0 top
J20#22  Conn_01x01_Pin  [PinHeader_1x01_P1.27mm_Vertical]  91.22 88 0 top
J20#23  Conn_01x01_Pin  [PinHeader_1x01_P1.27mm_Vertical]  35.22 33.25 0 top
J20#24  Conn_01x01_Pin  [PinHeader_1x01_P1.27mm_Vertical]  74.22 88 0 top
J20#25  Conn_01x01_Pin  [PinHeader_1x01_P1.27mm_Vertical]  18.21 51.5 0 top
J21  Conn_01x01_Pin  [PinHeader_1x01_P1.27mm_Vertical]  15.27 80.23 0 top
J21#2  Conn_01x01_Pin  [PinHeader_1x01_P1.27mm_Vertical]  88.27 25.48 0 top
J21#3  Conn_01x01_Pin  [PinHeader_1x01_P1.27mm_Vertical]  71.27 43.73 0 top
J21#4  Conn_01x01_Pin  [PinHeader_1x01_P1.27mm_Vertical]  49.27 25.48 0 top
J21#5  Conn_01x01_Pin  [PinHeader_1x01_P1.27mm_Vertical]  88.27 7.23 0 top
J21#6  Conn_01x01_Pin  [PinHeader_1x01_P1.27mm_Vertical]  15.27 61.98 0 top
J21#7  Conn_01x01_Pin  [PinHeader_1x01_P1.27mm_Vertical]  49.27 7.23 0 top
J21#8  Conn_01x01_Pin  [PinHeader_1x01_P1.27mm_Vertical]  32.27 7.23 0 top
J21#9  Conn_01x01_Pin  [PinHeader_1x01_P1.27mm_Vertical]  15.27 43.73 0 top
J21#10  Conn_01x01_Pin  [PinHeader_1x01_P1.27mm_Vertical]  71.27 25.48 0 top
J21#11  Conn_01x01_Pin  [PinHeader_1x01_P1.27mm_Vertical]  88.27 80.23 0 top
J21#12  Conn_01x01_Pin  [PinHeader_1x01_P1.27mm_Vertical]  71.27 80.23 0 top
J21#13  Conn_01x01_Pin  [PinHeader_1x01_P1.27mm_Vertical]  49.27 61.98 0 top
J21#14  Conn_01x01_Pin  [PinHeader_1x01_P1.27mm_Vertical]  32.27 25.48 0 top
J21#15  Conn_01x01_Pin  [PinHeader_1x01_P1.27mm_Vertical]  15.27 7.23 0 top
J21#16  Conn_01x01_Pin  [PinHeader_1x01_P1.27mm_Vertical]  88.27 61.98 0 top
J21#17  Conn_01x01_Pin  [PinHeader_1x01_P1.27mm_Vertical]  15.27 25.48 0 top
J21#18  Conn_01x01_Pin  [PinHeader_1x01_P1.27mm_Vertical]  49.27 80.23 0 top
J21#19  Conn_01x01_Pin  [PinHeader_1x01_P1.27mm_Vertical]  32.27 80.23 0 top
J21#20  Conn_01x01_Pin  [PinHeader_1x01_P1.27mm_Vertical]  71.27 7.23 0 top
J21#21  Conn_01x01_Pin  [PinHeader_1x01_P1.27mm_Vertical]  49.27 43.73 0 top
J21#22  Conn_01x01_Pin  [PinHeader_1x01_P1.27mm_Vertical]  71.27 61.98 0 top
J21#23  Conn_01x01_Pin  [PinHeader_1x01_P1.27mm_Vertical]  88.27 43.73 0 top
J21#24  Conn_01x01_Pin  [PinHeader_1x01_P1.27mm_Vertical]  32.27 61.98 0 top
J21#25  Conn_01x01_Pin  [PinHeader_1x01_P1.27mm_Vertical]  32.27 43.73 0 top
kibuzzard-658C3FF8  G***  [kibuzzard-658C3FF8]  85.5 60.65 0 top
kibuzzard-658C3FF8#2  G***  [kibuzzard-658C3FF8]  85.5 24.15 0 top
kibuzzard-658C3FF8#3  G***  [kibuzzard-658C3FF8]  46.5 78.9 0 top
kibuzzard-658C3FF8#4  G***  [kibuzzard-658C3FF8]  12.5 24.15 0 top
kibuzzard-658C3FF8#5  G***  [kibuzzard-658C3FF8]  46.5 5.9 0 top
kibuzzard-658C3FF8#6  G***  [kibuzzard-658C3FF8]  85.5 78.9 0 top
kibuzzard-658C3FF8#7  G***  [kibuzzard-658C3FF8]  68.5 5.9 0 top
kibuzzard-658C3FF8#8  G***  [kibuzzard-658C3FF8]  85.5 5.9 0 top
kibuzzard-658C3FF8#9  G***  [kibuzzard-658C3FF8]  29.5 60.65 0 top
kibuzzard-658C3FF8#10  G***  [kibuzzard-658C3FF8]  29.5 5.9 0 top
kibuzzard-658C3FF8#11  G***  [kibuzzard-658C3FF8]  29.5 78.9 0 top
kibuzzard-658C3FF8#12  G***  [kibuzzard-658C3FF8]  12.5 60.65 0 top
kibuzzard-658C3FF8#13  G***  [kibuzzard-658C3FF8]  68.5 78.9 0 top
kibuzzard-658C3FF8#14  G***  [kibuzzard-658C3FF8]  68.5 60.65 0 top
kibuzzard-658C3FF8#15  G***  [kibuzzard-658C3FF8]  29.5 42.4 0 top
kibuzzard-658C3FF8#16  G***  [kibuzzard-658C3FF8]  12.5 42.4 0 top
kibuzzard-658C3FF8#17  G***  [kibuzzard-658C3FF8]  12.5 78.9 0 top
kibuzzard-658C3FF8#18  G***  [kibuzzard-658C3FF8]  46.5 60.65 0 top
kibuzzard-658C3FF8#19  G***  [kibuzzard-658C3FF8]  12.5 5.9 0 top
kibuzzard-658C3FF8#20  G***  [kibuzzard-658C3FF8]  68.5 24.15 0 top
kibuzzard-658C3FF8#21  G***  [kibuzzard-658C3FF8]  68.5 42.4 0 top
kibuzzard-658C3FF8#22  G***  [kibuzzard-658C3FF8]  85.5 42.4 0 top
kibuzzard-658C3FF8#23  G***  [kibuzzard-658C3FF8]  46.5 24.15 0 top
kibuzzard-658C3FF8#24  G***  [kibuzzard-658C3FF8]  46.5 42.4 0 top
kibuzzard-658C3FF8#25  G***  [kibuzzard-658C3FF8]  29.5 24.15 0 top
kibuzzard-658C2757  G***  [kibuzzard-658C2757]  46.5 68 180 bottom
kibuzzard-658C2757#2  G***  [kibuzzard-658C2757]  29.5 86.25 180 bottom
kibuzzard-658C2757#3  G***  [kibuzzard-658C2757]  68.5 13.25 180 bottom
kibuzzard-658C2757#4  G***  [kibuzzard-658C2757]  85.5 49.75 180 bottom
kibuzzard-658C2757#5  G***  [kibuzzard-658C2757]  29.5 68 180 bottom
kibuzzard-658C2757#6  G***  [kibuzzard-658C2757]  85.5 68 180 bottom
kibuzzard-658C2757#7  G***  [kibuzzard-658C2757]  68.5 49.75 180 bottom
kibuzzard-658C2757#8  G***  [kibuzzard-658C2757]  12.5 31.5 180 bottom
kibuzzard-658C2757#9  G***  [kibuzzard-658C2757]  46.5 31.5 180 bottom
kibuzzard-658C2757#10  G***  [kibuzzard-658C2757]  46.5 49.75 180 bottom
kibuzzard-658C2757#11  G***  [kibuzzard-658C2757]  46.5 86.25 180 bottom
kibuzzard-658C2757#12  G***  [kibuzzard-658C2757]  12.5 13.25 180 bottom
kibuzzard-658C2757#13  G***  [kibuzzard-658C2757]  12.5 68 180 bottom
kibuzzard-658C2757#14  G***  [kibuzzard-658C2757]  68.5 86.25 180 bottom
kibuzzard-658C2757#15  G***  [kibuzzard-658C2757]  85.5 86.25 180 bottom
kibuzzard-658C2757#16  G***  [kibuzzard-658C2757]  29.5 31.5 180 bottom
kibuzzard-658C2757#17  G***  [kibuzzard-658C2757]  46.5 13.25 180 bottom
kibuzzard-658C2757#18  G***  [kibuzzard-658C2757]  85.5 13.25 180 bottom
kibuzzard-658C2757#19  G***  [kibuzzard-658C2757]  12.5 49.75 180 bottom
kibuzzard-658C2757#20  G***  [kibuzzard-658C2757]  12.5 86.25 180 bottom
kibuzzard-658C2757#21  G***  [kibuzzard-658C2757]  29.5 13.25 180 bottom
kibuzzard-658C2757#22  G***  [kibuzzard-658C2757]  68.5 68 180 bottom
kibuzzard-658C2757#23  G***  [kibuzzard-658C2757]  29.5 49.75 180 bottom
kibuzzard-658C2757#24  G***  [kibuzzard-658C2757]  85.5 31.5 180 bottom
kibuzzard-658C2757#25  G***  [kibuzzard-658C2757]  68.5 31.5 180 bottom
LED1  -  [WS2812-2020]  74.5 85 270 bottom
LED1#2  -  [WS2812-2020]  52.5 85 270 bottom
LED1#3  -  [WS2812-2020]  91.5 48.5 270 bottom
LED1#4  -  [WS2812-2020]  52.5 66.75 270 bottom
LED1#5  -  [WS2812-2020]  52.5 48.5 270 bottom
LED1#6  -  [WS2812-2020]  18.5 30.25 270 bottom
LED1#7  -  [WS2812-2020]  52.5 30.25 270 bottom
LED1#8  -  [WS2812-2020]  74.5 48.5 270 bottom
LED1#9  -  [WS2812-2020]  35.5 12 270 bottom
LED1#10  -  [WS2812-2020]  35.5 85 270 bottom
LED1#11  -  [WS2812-2020]  18.5 48.5 270 bottom
LED1#12  -  [WS2812-2020]  35.5 48.5 270 bottom
LED1#13  -  [WS2812-2020]  18.5 12 270 bottom
LED1#14  -  [WS2812-2020]  74.5 12 270 bottom
LED1#15  -  [WS2812-2020]  91.5 66.75 270 bottom
LED1#16  -  [WS2812-2020]  74.5 66.75 270 bottom
LED1#17  -  [WS2812-2020]  18.5 66.75 270 bottom
LED1#18  -  [WS2812-2020]  52.5 12 270 bottom
LED1#19  -  [WS2812-2020]  18.5 85 270 bottom
LED1#20  -  [WS2812-2020]  35.5 66.75 270 bottom
LED1#21  -  [WS2812-2020]  35.5 30.25 270 bottom
LED1#22  -  [WS2812-2020]  91.5 30.25 270 bottom
LED1#23  -  [WS2812-2020]  74.5 30.25 270 bottom
LED1#24  -  [WS2812-2020]  91.5 85 270 bottom
LED1#25  -  [WS2812-2020]  91.5 12 270 bottom
LED2  -  [WS2812-2020]  23.5 12 90 bottom
LED2#2  -  [WS2812-2020]  23.5 30.25 90 bottom
LED2#3  -  [WS2812-2020]  6.5 12 90 bottom
LED2#4  -  [WS2812-2020]  79.5 66.75 90 bottom
LED2#5  -  [WS2812-2020]  23.5 48.5 90 bottom
LED2#6  -  [WS2812-2020]  40.5 66.75 90 bottom
LED2#7  -  [WS2812-2020]  79.5 85 90 bottom
LED2#8  -  [WS2812-2020]  79.5 48.5 90 bottom
LED2#9  -  [WS2812-2020]  6.5 48.5 90 bottom
LED2#10  -  [WS2812-2020]  62.5 30.25 90 bottom
LED2#11  -  [WS2812-2020]  23.5 85 90 bottom
LED2#12  -  [WS2812-2020]  6.5 30.25 90 bottom
LED2#13  -  [WS2812-2020]  62.5 66.75 90 bottom
LED2#14  -  [WS2812-2020]  79.5 12 90 bottom
LED2#15  -  [WS2812-2020]  40.5 12 90 bottom
LED2#16  -  [WS2812-2020]  23.5 66.75 90 bottom
LED2#17  -  [WS2812-2020]  62.5 12 90 bottom
LED2#18  -  [WS2812-2020]  79.5 30.25 90 bottom
LED2#19  -  [WS2812-2020]  40.5 85 90 bottom
LED2#20  -  [WS2812-2020]  62.5 48.5 90 bottom
LED2#21  -  [WS2812-2020]  40.5 48.5 90 bottom
LED2#22  -  [WS2812-2020]  6.5 66.75 90 bottom
LED2#23  -  [WS2812-2020]  40.5 30.25 90 bottom
LED2#24  -  [WS2812-2020]  6.5 85 90 bottom
LED2#25  -  [WS2812-2020]  62.5 85 90 bottom
R1  10K  [R_0402_1005Metric]  6.6 28.25 0 bottom
R1#2  10K  [R_0402_1005Metric]  62.6 64.75 0 bottom
R1#3  10K  [R_0402_1005Metric]  23.6 83 0 bottom
R1#4  10K  [R_0402_1005Metric]  23.6 10 0 bottom
R1#5  10K  [R_0402_1005Metric]  79.6 28.25 0 bottom
R1#6  10K  [R_0402_1005Metric]  23.6 46.5 0 bottom
R1#7  10K  [R_0402_1005Metric]  79.6 10 0 bottom
R1#8  10K  [R_0402_1005Metric]  40.6 83 0 bottom
R1#9  10K  [R_0402_1005Metric]  79.6 64.75 0 bottom
R1#10  10K  [R_0402_1005Metric]  40.6 64.75 0 bottom
R1#11  10K  [R_0402_1005Metric]  40.6 10 0 bottom
R1#12  10K  [R_0402_1005Metric]  6.6 64.75 0 bottom
R1#13  10K  [R_0402_1005Metric]  62.6 10 0 bottom
R1#14  10K  [R_0402_1005Metric]  79.6 83 0 bottom
R1#15  10K  [R_0402_1005Metric]  62.6 28.25 0 bottom
R1#16  10K  [R_0402_1005Metric]  40.6 46.5 0 bottom
R1#17  10K  [R_0402_1005Metric]  23.6 28.25 0 bottom
R1#18  10K  [R_0402_1005Metric]  6.6 10 0 bottom
R1#19  10K  [R_0402_1005Metric]  79.6 46.5 0 bottom
R1#20  10K  [R_0402_1005Metric]  6.6 83 0 bottom
R1#21  10K  [R_0402_1005Metric]  62.6 83 0 bottom
R1#22  10K  [R_0402_1005Metric]  23.6 64.75 0 bottom
R1#23  10K  [R_0402_1005Metric]  6.6 46.5 0 bottom
R1#24  10K  [R_0402_1005Metric]  40.6 28.25 0 bottom
R1#25  10K  [R_0402_1005Metric]  62.6 46.5 0 bottom
REF**  -  [NPTH]  21.7 85.29 0 top
REF**#2  -  [NPTH]  76.3 84.46 0 top
REF**#3  -  [NPTH]  4.7 10.63 0 top
REF**#4  -  [NPTH]  76.3 70.38 0 top
REF**#5  -  [NPTH]  37.3 14.79 0 top
REF**#6  -  [NPTH]  54.3 30.54 0 top
REF**#7  -  [NPTH]  20.3 47.13 0 top
REF**#8  -  [NPTH]  20.3 52.13 0 top
REF**#9  -  [NPTH]  76.3 15.63 0 top
REF**#10  -  [NPTH]  21.7 49.63 0 top
REF**#11  -  [NPTH]  60.7 67.88 0 top
REF**#12  -  [NPTH]  4.7 50.46 0 top
REF**#13  -  [NPTH]  20.3 29.71 0 top
REF**#14  -  [NPTH]  60.7 30.54 0 top
REF**#15  -  [NPTH]  4.7 30.54 0 top
REF**#16  -  [NPTH]  37.3 69.54 0 top
